# Altium PCB Cymometer.PcbDoc (part 1 of 2)
Units mil, origin at the board's own origin, x right, y up, seen from the top; angles counter-clockwise.
Board outline 6000 x 6000 mil, 2 copper layers (Top Layer, Bottom Layer); 96 components, 158 nets, 564 pads, 531 vias.
Unrouted connection lines stored in the file: 3.
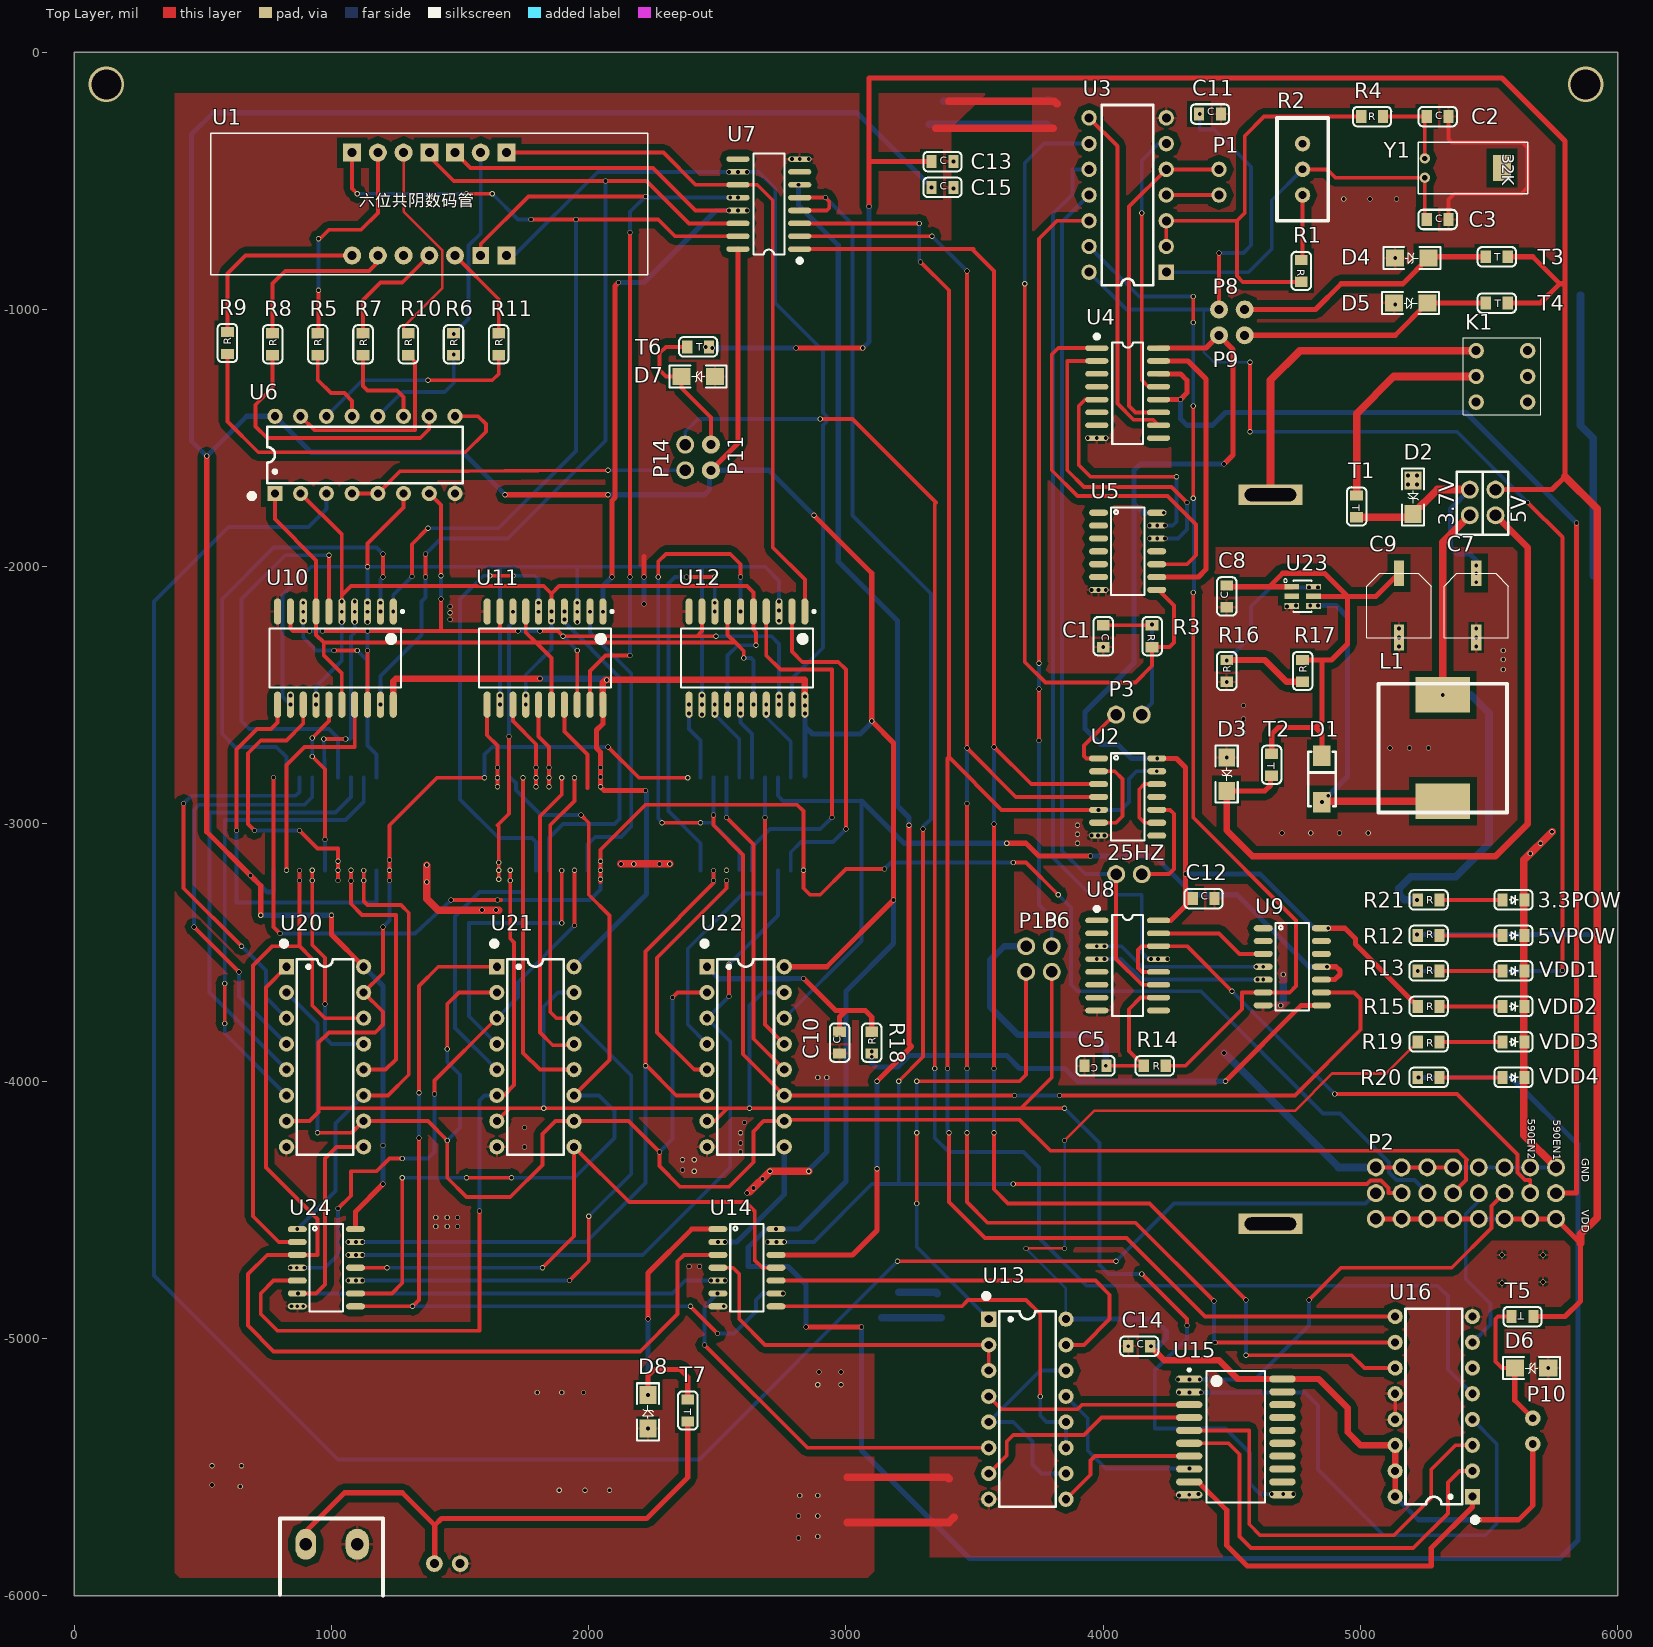
[diagram p0: Top Layer view]
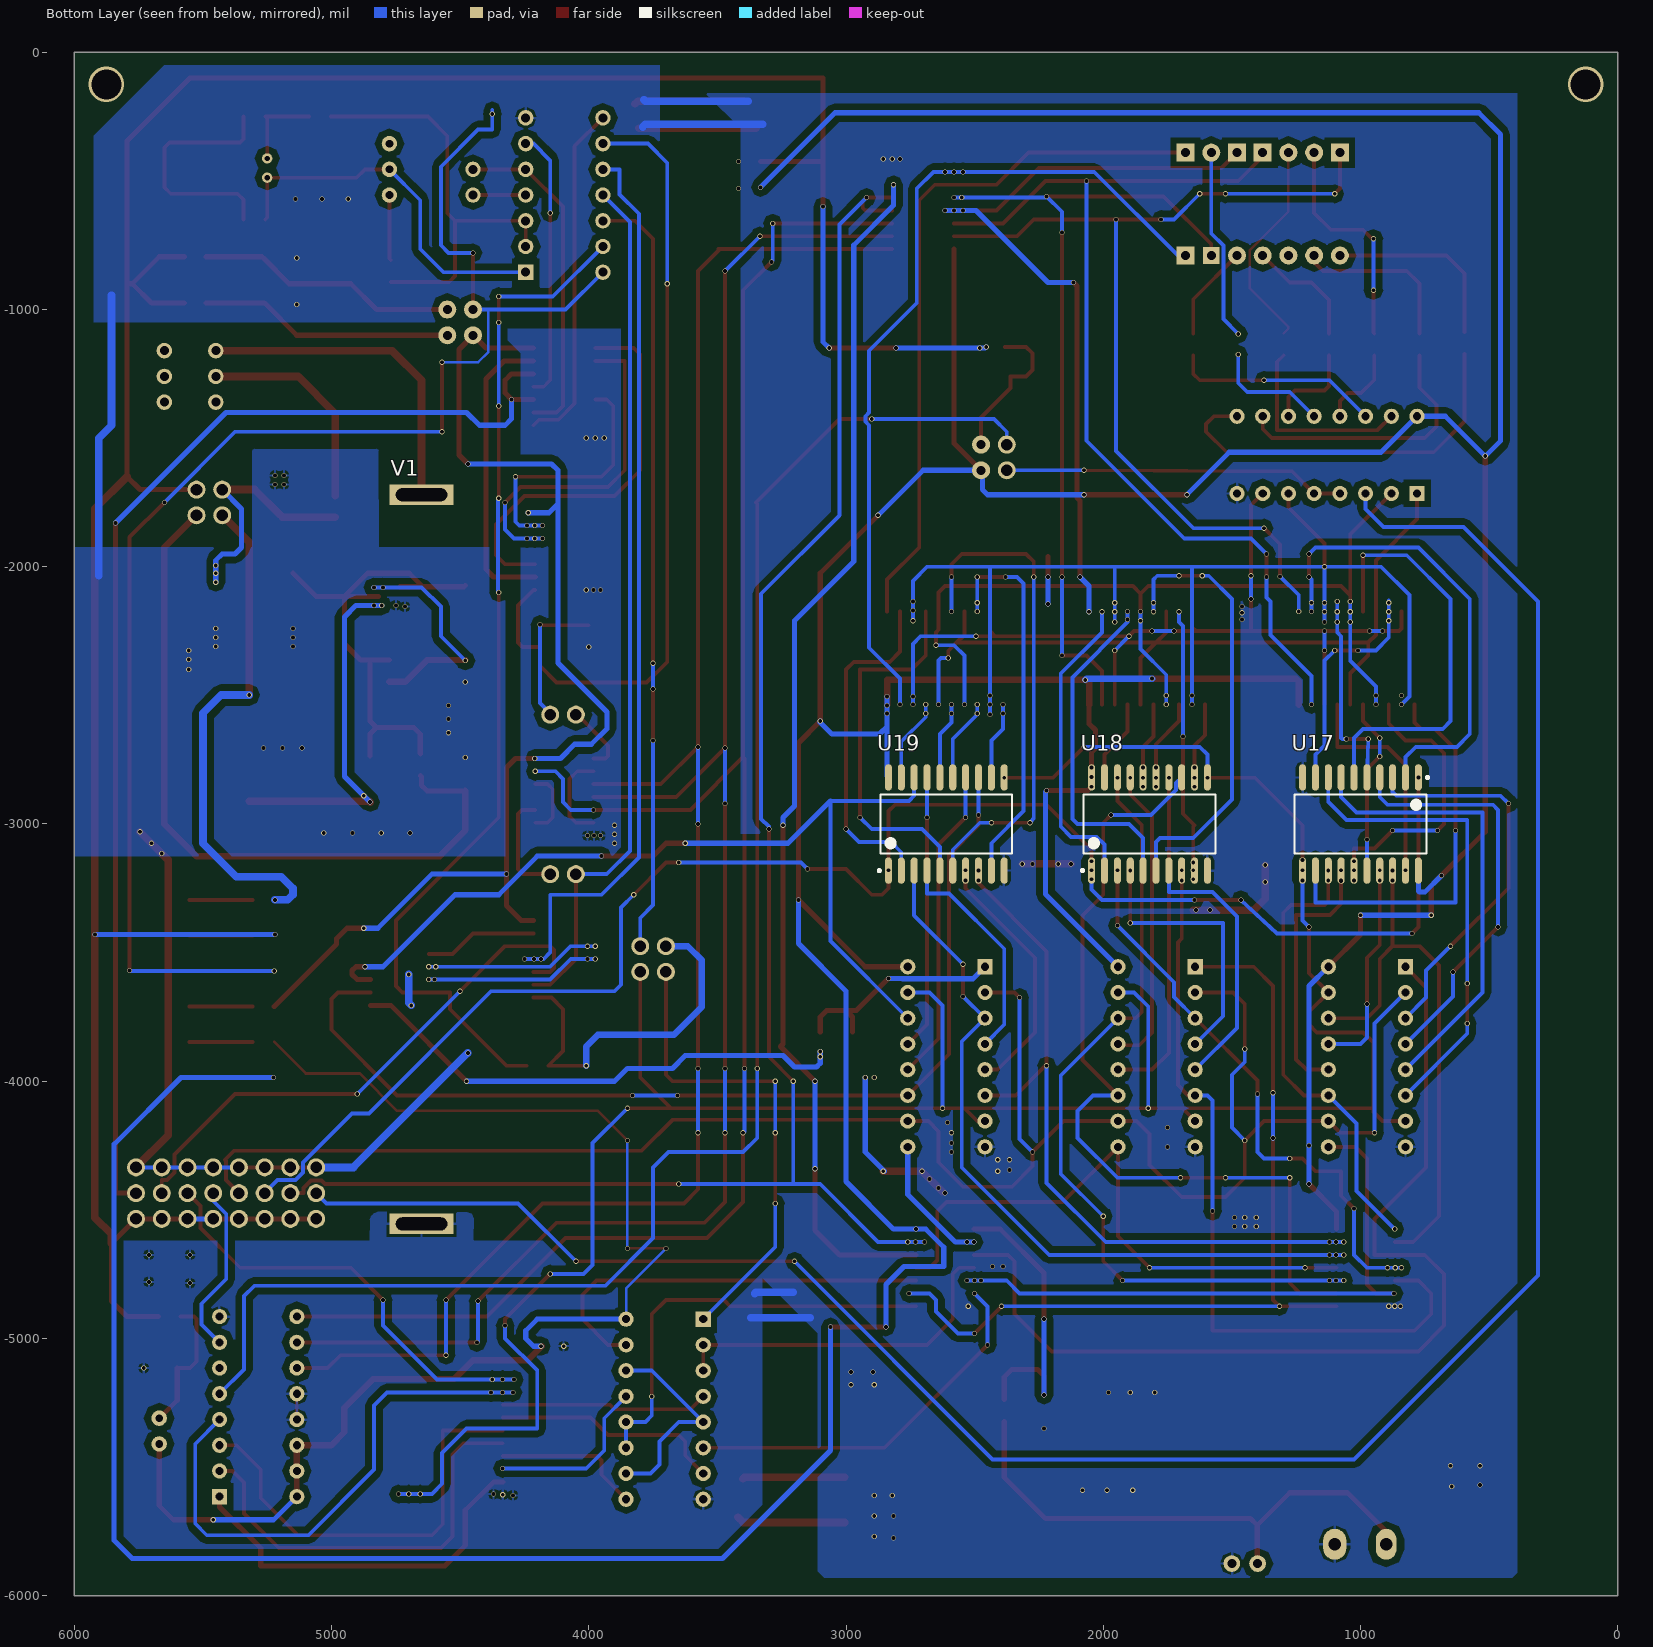
[diagram p1: Bottom Layer view, seen from below]
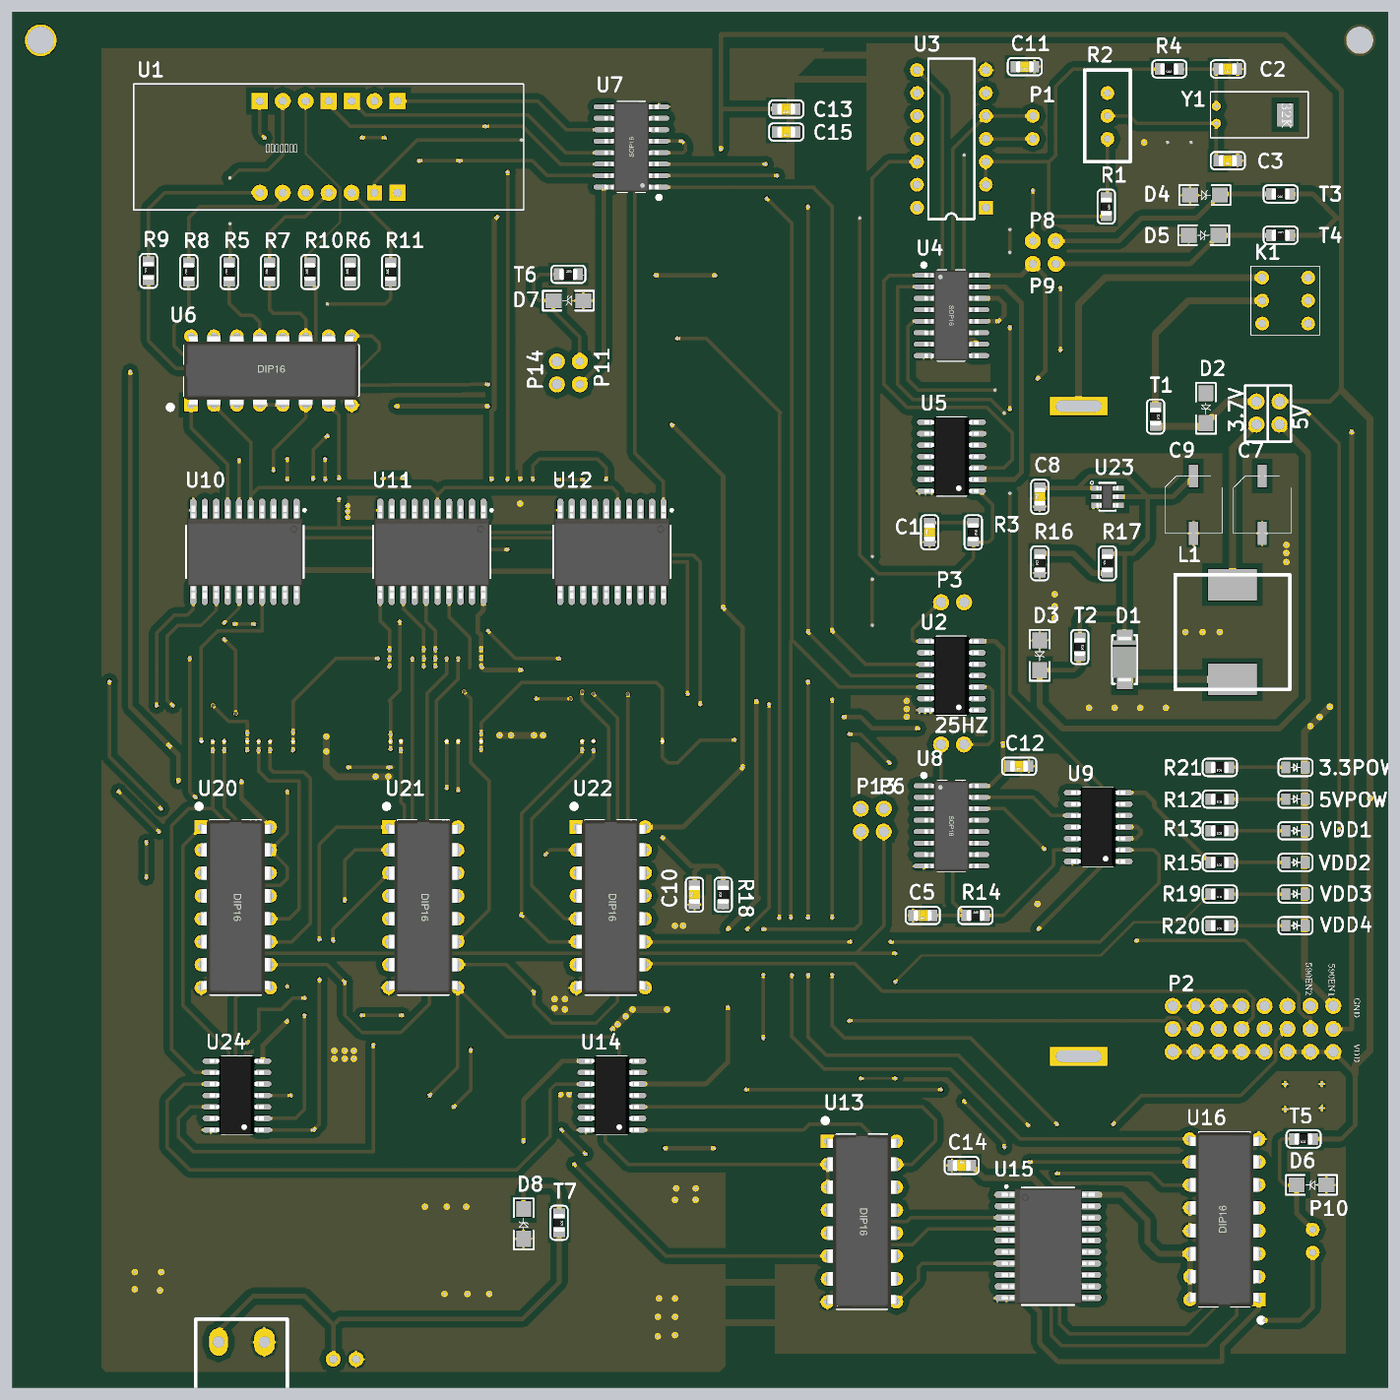
[diagram p3: 3D render of the assembled board from above, using the file's embedded part models]
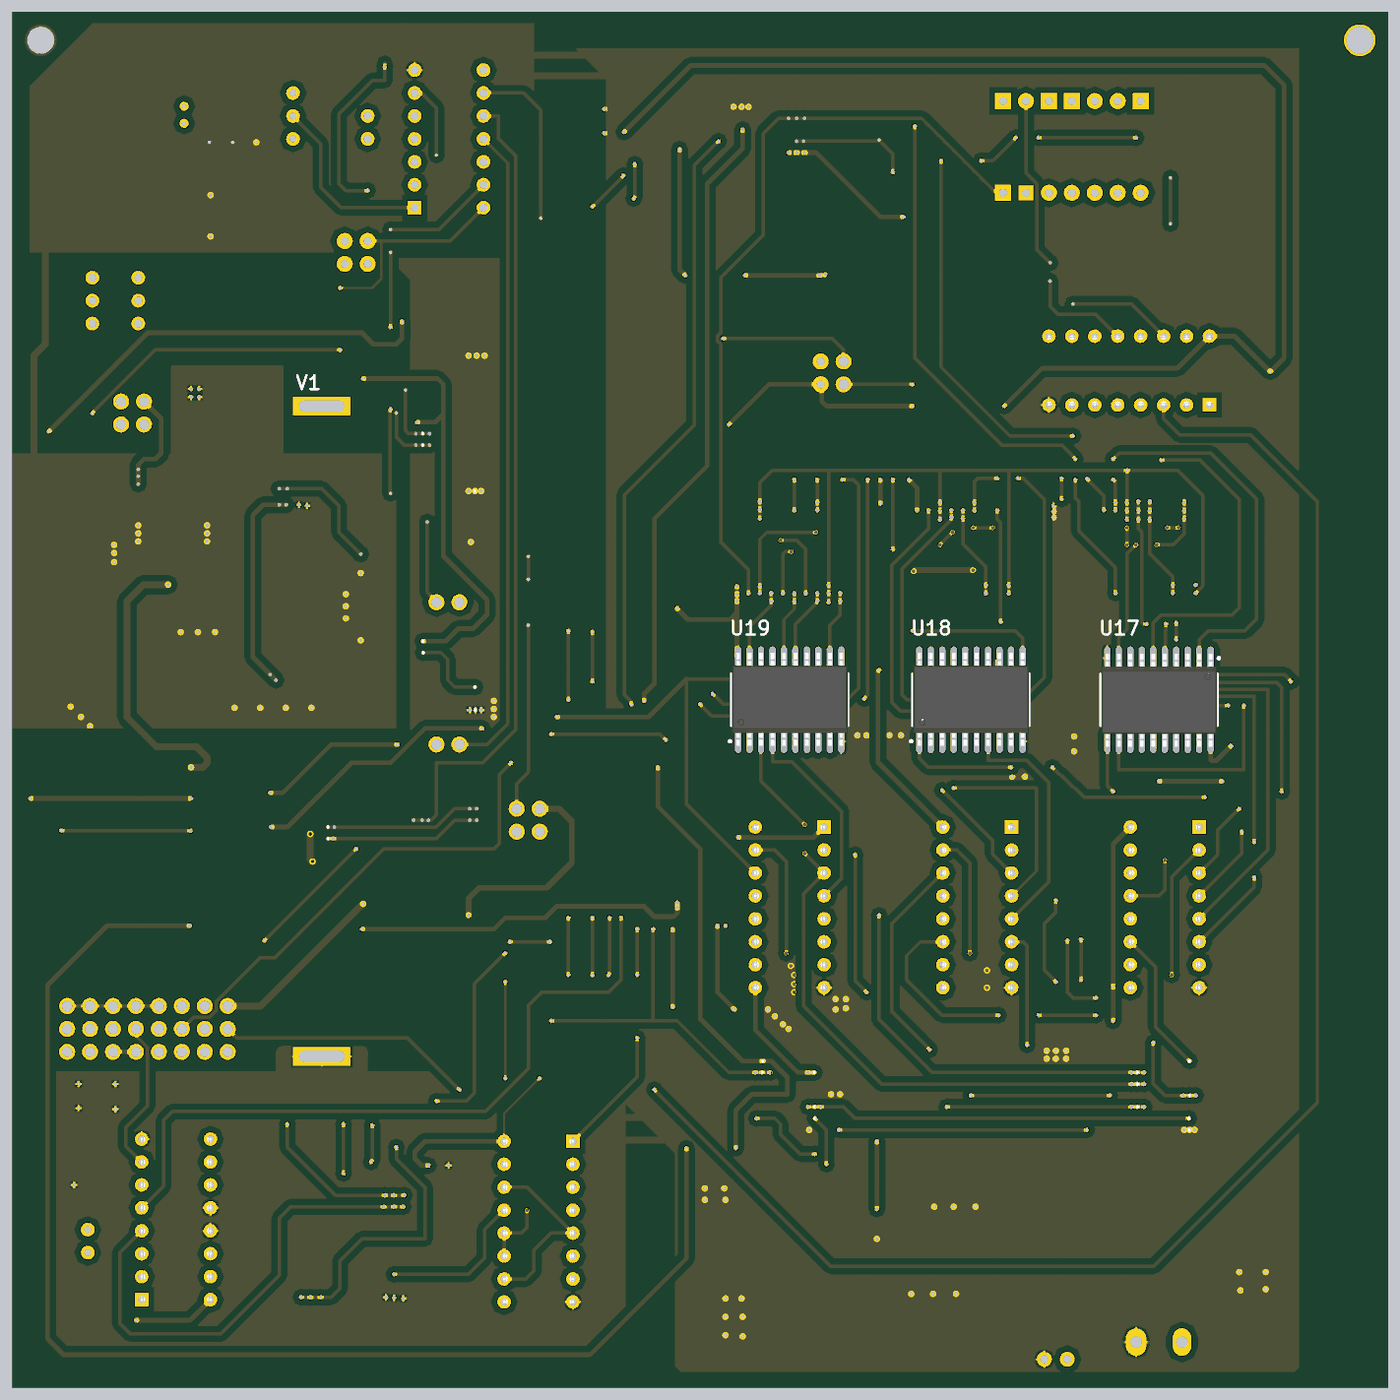
[diagram p4: 3D render of the assembled board from below, using the file's embedded part models]

## Layer stack, top to bottom
Top Solder: solder mask 0.4, Solder Resist, Dk 3.5
Top Layer: signal copper 1.4
Dielectric 1: dielectric 12.6, FR-4, Dk 4.8
Bottom Layer: signal copper 1.4
Bottom Solder: solder mask 0.4, Solder Resist, Dk 3.5

## Board outline
0,-6000 0,0 6000,0 6000,-6000

## Design rules (kind name [scope] priority, off if disabled: settings)
Clearance [All] p1: gap=7
PolygonConnect [All] p1: connectstyle=Relief reliefconductorwidth=10 reliefentries=4 polygonreliefangle="90 Angle" airgapwidth=10
RoutingVias [All] p1: holewidth=15 width=50 viastyle="Through Hole" minholewidth=15 minwidth=50 maxholewidth=1181.1 maxwidth=50
SolderMaskExpansion [All] p1: expansion=4
Width [All] p1: maxlimit=30 minlimit=10 preferedwidth=15
30 further rules are at their usual default settings.

## Components (designator, comment, footprint, x,y, rotation, side; value= is the part's Value field where it differs from the comment)
3.3POW "LED" 0805LED 5595,-3295 r0 top (schematic designator D14)
3.7V "2P" 2P#1 5425,-1750 r270 top (schematic designator P12)
5V "2P" 2P#1 5525,-1750 r90 top (schematic designator P7)
5VPOW "LED" 0805LED 5595,-3433 r0 top (schematic designator D9)
25HZ "2P" 2P#1 4100,-3195 r0 top (schematic designator P4)
C1 "Cap1" Cap1 4000,-2269.9 r90 top
C2 "Cap1" Cap1 5300,-250 r180 top
C3 "Cap1" Cap1 5300,-650 r180 top
C5 "Cap1" Cap1 3970,-3940 r180 top
C7 "Cap2" Cap2 5450,-2150 r90 top
C8 "Cap1" Cap1 4480,-2115 r90 top
C9 "Cap2" Cap2 5150,-2150 r90 top
C10 "Cap1" Cap1 2975,-3850 r90 top
C11 "Cap1" Cap1 4415,-240 r180 top
C12 "Cap1" Cap1 4390,-3290 r180 top
C13 "Cap1" Cap1 3375,-425 r180 top
C14 "Cap1" Cap1 4140,-5030 r0 top
C15 "Cap1" Cap1 3375,-525 r180 top
D1 "1N5819" 1N5819(SMA) 4850,-2825 r90 top
D2 "稳压管" 1206稳压管 5204.33,-1729 r270 top
D3 "稳压管" 1206稳压管 4480,-2806.08 r270 top
D4 "稳压管" 1206稳压管 5200,-800 r0 top
D5 "稳压管" 1206稳压管 5195,-975 r0 top
D6 "稳压管" 1206稳压管 5665,-5115 r180 top
D7 "稳压管" 1206稳压管 2425,-1260 r180 top
D8 "稳压管" 1206稳压管 2230,-5285 r90 top
K1 "Switch" Switch 5550,-1260 r0 top
L1 "FIBER" FIBER 5320,-2705 r0 top
P1 "32K" 2P#2 4450,-505 r270 top
P2 "3P*8" 3P*8 5410,-4435 r270 top
P3 "2P" 2P#1 4100,-2575 r0 top
P6 "2P" 2P#1 3800,-3525 r90 top
P8 "2P" 2P#3 4500,-1000 r180 top
P9 "2P" 2P#3 4500,-1100 r180 top
P10 "2P" 2P#4 5670,-5360 r270 top
P11 "2P" 2P#3 2475,-1575 r270 top
P13 "2P" 2P#1 3700,-3525 r90 top
P14 "2P" 2P#1 2375,-1575 r270 top
R1 "RES" 0805R 4770,-850 r270 top
R2 "Res2" Res2 4775,-455 r270 top
R3 "RES" 0805R 4190,-2270 r270 top
R4 "RES" 0805R 5045,-250 r180 top
R5 "" 0805R 946.67,-1135 r90 top
R6 "" 0805R 1474.17,-1135 r90 top
R7 "" 0805R 1122.5,-1135 r90 top
R8 "" 0805R 770.83,-1135 r90 top
R9 "" 0805R 595,-1130 r90 top
R10 "" 0805R 1298.33,-1135 r90 top
R11 "" 0805R 1650,-1135 r90 top
R12 "RES" 0805R 5265,-3433 r180 top
R13 "RES" 0805R 5265,-3571 r180 top
R14 "RES" 0805R 4200,-3940 r0 top
R15 "RES" 0805R 5265,-3709 r180 top
R16 "RES" 0805R 4480,-2405 r90 top
R17 "RES" 0805R 4775,-2405 r90 top
R18 "RES" 0805R 3100,-3850 r90 top
R19 "RES" 0805R 5265,-3847 r180 top
R20 "RES" 0805R 5265,-3985 r180 top
R21 "RES" 0805R 5265,-3295 r180 top
T1 "保险管" 0805T 4980,-1755.5 r270 top
T2 "保险管" 0805T 4649.43,-2759.68 r270 top
T3 "保险管" 0805T 5540,-790 r180 top
T4 "保险管" 0805T 5520,-980 r0 top
T5 "保险管" 0805T 5640,-4910 r180 top
T6 "保险管" 0805T 2415,-1150 r0 top
T7 "保险管" 0805T 2380,-5270 r270 top
U1 "SEG" 6BIT_SEG 1380,-590 r0 top
U2 "74HC393" SOP14 4095,-2895 r0 top
U3 "CD4069" DIP14 4095,-555 r180 top
U4 "74HC590" SOP16 4095,-1325 r0 top
U5 "74HC21" SOP14 4095,-1940 r0 top
U6 "74LS248" DIP16 1130,-1565 r90 top
U7 "74HC138" SOP16 2700,-590 r180 top
U8 "74HC590" SOP16 4095,-3550 r0 top
U9 "74HC10" SOP14 4735,-3555 r0 top
U10 "74HC244" SOP20 1015,-2355 r270 top
U11 "74HC244" SOP20 1830,-2355 r270 top
U12 "74HC244" SOP20 2615,-2355 r270 top
U13 "74HC279" DIP16 3705,-5275 r0 top
U14 "74HC14" SOP14 2615,-4725 r0 top
U15 "74HC273" SOP20 4515.41,-5382.44 r0 top
U16 "74HC151" DIP16 5285,-5265 r180 top
U17 "74HC273" SOP20 1000,-3000 r270 bottom
U18 "74HC273" SOP20 1820,-3000 r90 bottom
U19 "74HC273" SOP20 2610,-3000 r90 bottom
U20 "CD4518" DIP16 975,-3905 r0 top
U21 "CD4518" DIP16 1792.5,-3905 r0 top
U22 "CD4518" DIP16 2610,-3905 r0 top
U23 "PT1301" Sop26 4775,-2115 r90 top
U24 "74HC08" SOP14 980,-4725 r0 top
V1 "Battery" Battry 4650,-1720 r270 bottom
VDD1 "LED" 0805LED 5595,-3571 r0 top (schematic designator D10)
VDD2 "LED" 0805LED 5595,-3709 r0 top (schematic designator D11)
VDD3 "LED" 0805LED 5595,-3847 r0 top (schematic designator D12)
VDD4 "LED" 0805LED 5595,-3985 r0 top (schematic designator D13)
Y1 "K" CRYSTAL 5250,-450 r270 top
